# Altium PCB Copy of GameBoard_V1I1_083018.PcbDoc (part 15 of 21)
Units mil, origin at the board's own origin, x right, y up, seen from the top; angles counter-clockwise.
Board outline 7165.35 x 2763.78 mil, 12 copper layers (L1, L2, L3, L4, L5 (PWR), L6 (PWR), L7 (PWR), L8 (PWR), L9, L10, L11, L12), stack 61.575 mil thick; 1542 components, 1068 nets, 5447 pads, 3797 vias.
Unrouted connection lines stored in the file: 105.
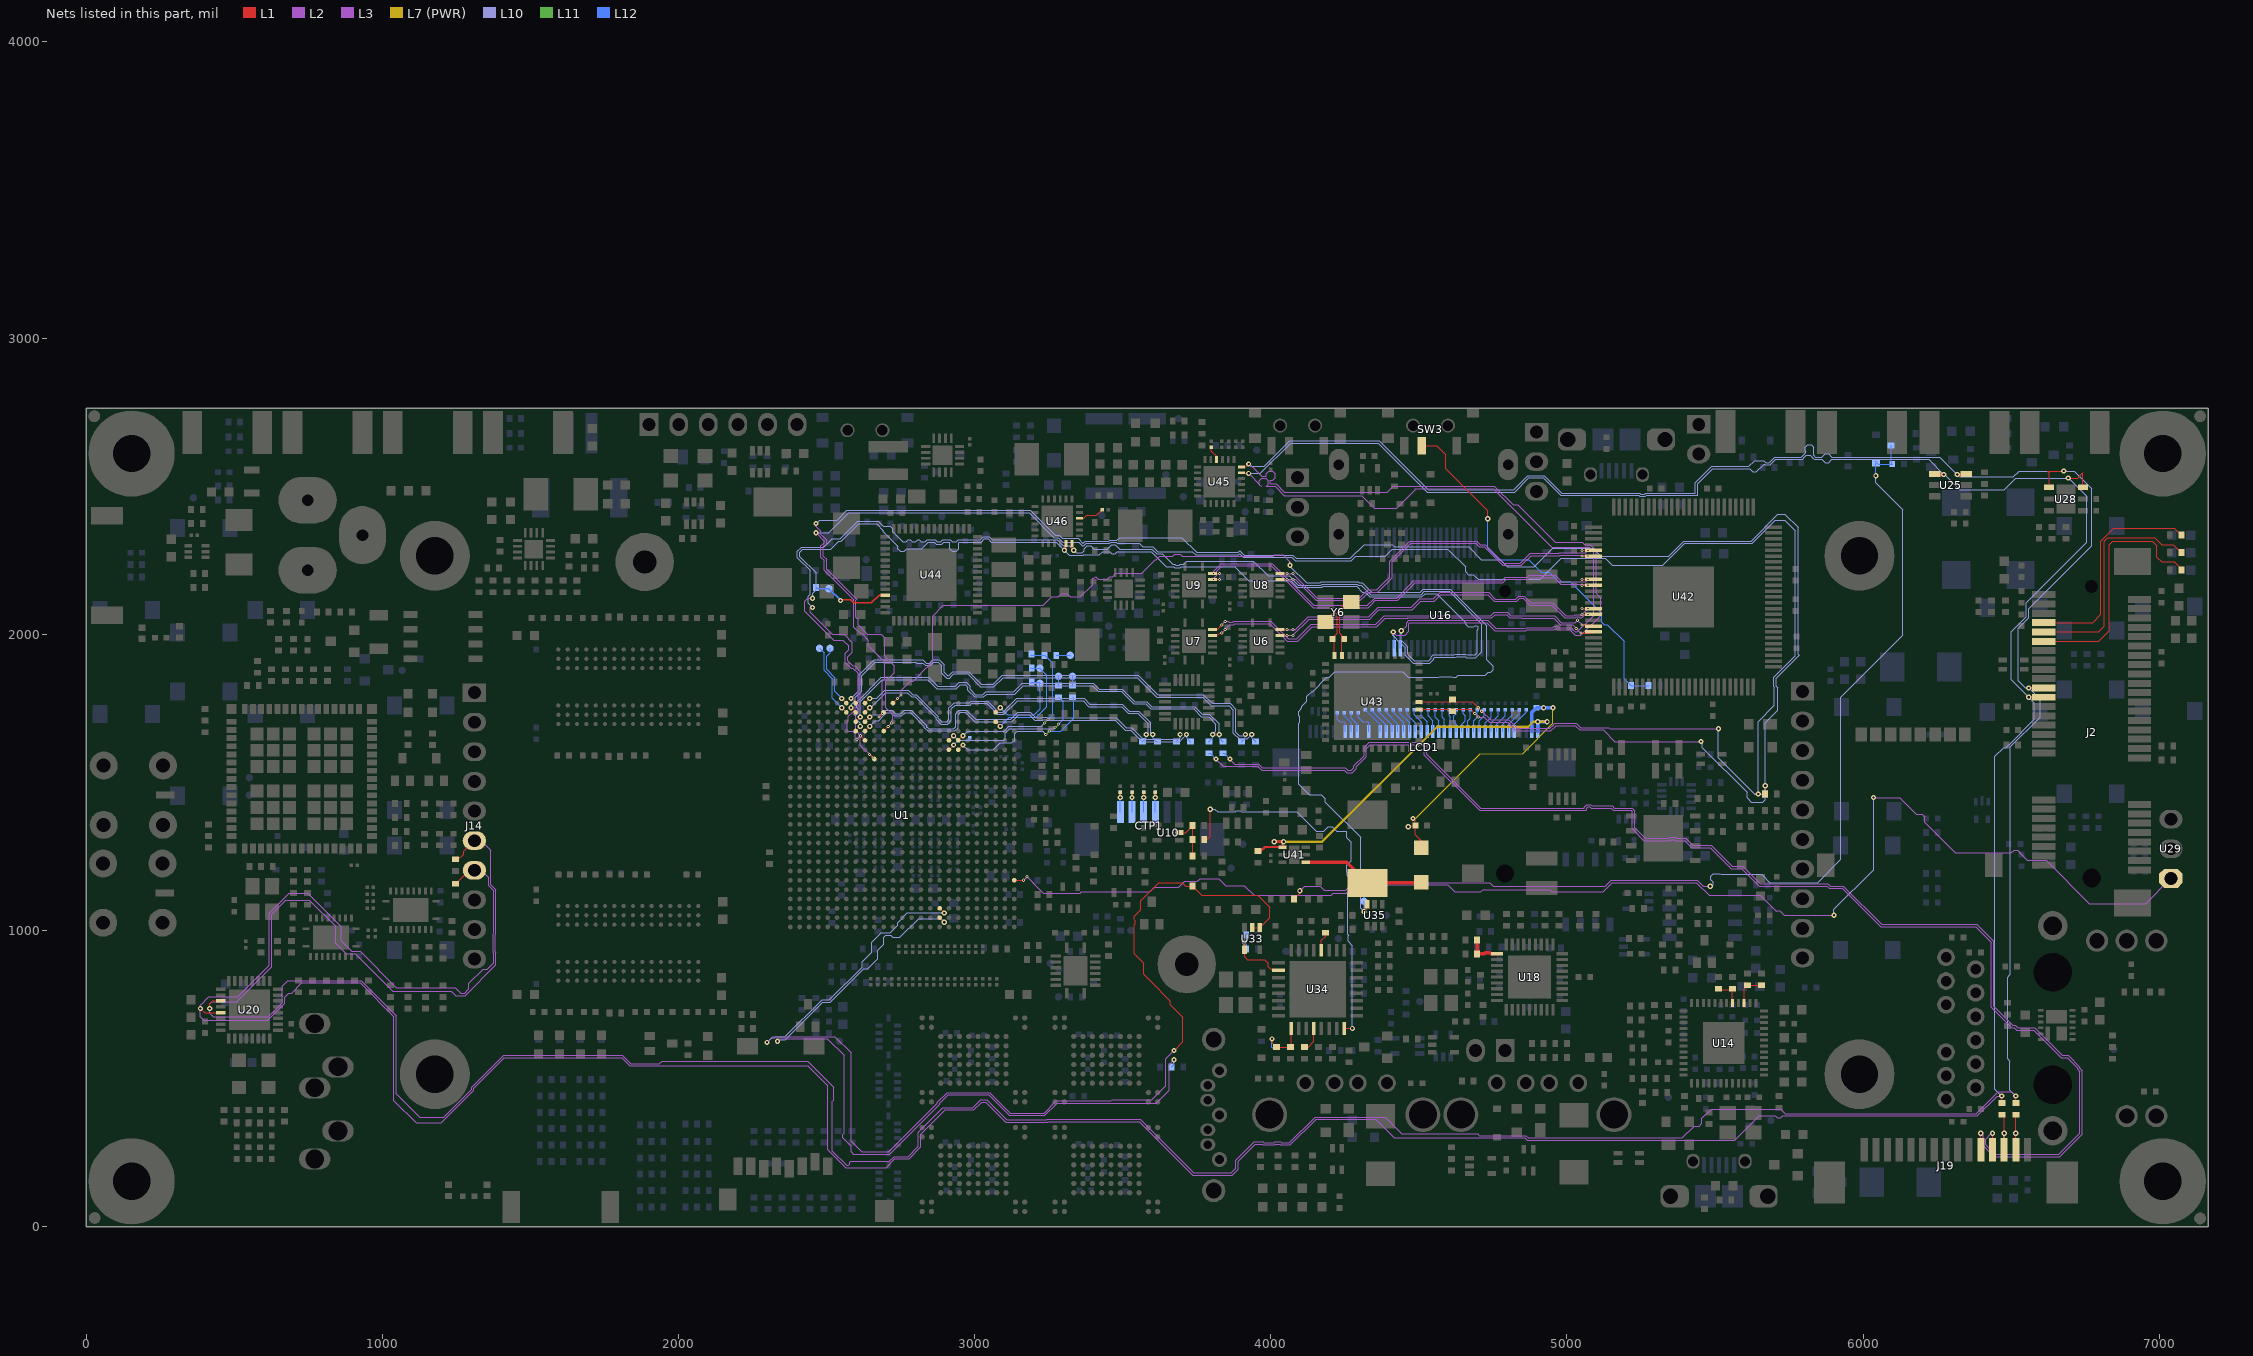
[diagram p25: the nets of this part, all layers, seen from the top]

## Via types
v1: diameter 17.72, hole 7.87, L1 to L12, 1936 vias
v2: diameter 17.72, hole 7.87, L1 to L12, tented both sides, 999 vias
v3: diameter 10.63, hole 3.94, L1 to L2, 337 vias
v4: diameter 10.63, hole 3.94, L2 to L3, 335 vias
v5: diameter 10.63, hole 3.94, L10 to L11, 96 vias
v6: diameter 10.63, hole 3.94, L11 to L12, 94 vias

## Nets (pads, with @x,y where several pads share a name; then routed paths per layer and width w, separated by ;. In a path a pad name is that pad's centre, name@x,y a point inside that pad or via, vN(x,y) a via of type N, cw(c..) or ccw(c..) an arc to the next point about the centre after c; other vN are vias at no path point) (continued)
I2C1_SDA_PMIC: R442.2 TP41.1 U44.53 | length 268.7
  L1 w4.49: v2(2547.24,2114.17) 2550.47,2117.4 2581.03,2117.4 2592.13,2106.3 2651.79,2106.3 2677.38,2131.89 U44.53@2698.82,2131.89
  L12 w4.49: R442.2@2464.57,2157.48 2468.5,2153.54 TP41.1@2507.87,2153.54 v2(2547.24,2114.17)
I2C2_CSI_SCL: J19.13 R452.1 R454.2 R459.2 | length 200.1
  L1 w3.94: R454.2@6468.5,377.95 6476.38,370.08 v1(6476.38,314.96) J19.13@6476.38,259.84
  L12 w3.94: R452.1@6476.38,236.22 v1(6476.38,314.96)
I2C2_CSI_SDA: J19.14 R451.1 R456.2 R458.2 | length 196.9
  L1 w3.94: J19.14@6515.75,259.84 v1(6515.75,314.96) R456.2@6515.75,377.95
  L12 w3.94: R451.1@6515.75,236.22 v1(6515.75,314.96)
I2C2_SCL: J2.30 J14.7 R62.1 R454.1 U1.U5 U16.17 U20.29 U25.1 U28.6 U45.5 U46.5 | length 21296
  L1 w3.66: v3(2614.17,1657.48) U1.U5@2629.92,1641.73
  L1 w3.94: v1(385.83,736.22) 400.59,721.46 454.33,721.46 U20.29@454.33,722.44 ; R62.1@1248.03,1157.48 1297.64,1207.09 J14.7@1330.71,1207.09 ; v1(3303.15,2283.46) 3309.06,2289.37 U46.5@3309.06,2307.09 ; U45.5@3901.57,2545.28 3903.54,2543.31 v1(3925.2,2543.31) ; R454.1@6468.5,417.32 v1(6468.5,440.94) ; v1(6559.06,1787.4) J2.30@6610.24,1787.4 ; v1(6692.91,2527.56) 6724.41,2527.56 6742.13,2545.28 U28.6@6742.13,2496.06
  L1 w11.81: U25.1@6242.13,2541.34 6244.09,2539.37 v2(6272.64,2539.37)
  L3 w3.94: J14.7@1330.71,1207.09 1359.11,1178.68 1359.11,1150.79 1375.98,1133.92 1375.98,991.59 1374.02,989.63 1374.02,924.55 1375.98,922.58 1375.98,891.59 1354.07,869.69 1340.58,869.69 1292.53,821.64 1292.53,803.15 1277.77,788.39 1265.54,788.39 1246.84,807.09 1047.24,807.09 925.2,929.13 897.64,929.13 861.22,965.55 861.22,982.9 862.2,983.89 862.2,1011.81 748.03,1125.98 685.71,1125.98 618.11,1058.38 618.11,881.89 511.81,775.59 413.39,775.59 400.59,762.8 400.59,761.6 391.94,752.95 390.75,752.95 385.83,748.03 v1(385.83,736.22) 385.83,708.66 397.64,696.85 613.5,696.85 670.28,753.63 670.28,773.83 684.83,788.39 693.9,788.39 728.35,822.83 925.2,822.83 1039.37,708.66 1039.37,425.2 1114.17,350.39 1199.71,350.39 1309.45,460.13 1309.45,467.6 1411.73,569.88 1808.75,569.88 1836.31,542.32 1963.58,542.32 1964.57,543.31 2437.01,543.31 2503.94,476.38 2503.94,259 2564.4,198.53 2700.93,198.53 2731.15,228.76 2778.59,228.76 2818.9,269.07 2818.9,311.02 2901.71,393.84 2996.88,393.84 3023.31,420.28 3037.61,420.28 3105.68,352.2 3247.16,352.2 3249.29,354.33 3555.79,354.33 3736.9,173.23 3870.08,173.23 3889.76,192.91 3889.76,221.15 3947.16,278.54 3970.68,278.54 3973.63,275.59 4014.55,275.59 4017.51,278.54 4029.74,278.54 4032.69,275.59 4066.25,275.59 4152.87,362.2 4354.33,362.2 4417.32,299.21 4858.27,299.21 4866.14,291.34 5566.93,291.34 5649.61,374.02 5703.53,374.02 5710.42,367.13 5722.65,367.13 5729.54,374.02 6385.83,374.02 6452.76,440.94 v1(6468.5,440.94) ; v1(2452.76,2122.05) 2437.01,2122.05 2426.18,2111.22 2426.18,2077.76 2523.62,1980.31 2555.12,1980.31 2574.8,1960.63 2574.8,1947.62 2563.98,1936.8 2563.98,1903.85 2582.68,1885.15 2589.32,1885.15 2606.3,1868.17 2606.3,1771.65 2597.44,1762.8 2597.44,1745.85 2588.79,1737.21 2588.27,1737.21 2573.82,1722.75 2573.82,1711.1 2569.75,1707.03 2569.75,1672.24 2588.79,1672.24 2597.44,1663.6 2597.44,1650.59 v4(2602.36,1645.67) ; v1(3925.2,2543.31) 3961.61,2506.89 ; 3967.31,2500 3961.61,2505.7 3961.61,2506.89 ; v1(4440.94,2011.81) 4458.56,2029.43 4458.56,2039.37 4466.44,2047.24 4732.28,2047.24 4759.84,2019.68 4857.75,2019.68 4860.7,2022.64 4952.97,2022.64 4956.9,2026.57 4966.07,2026.57 4970.01,2022.64 5015.07,2022.64 5020.28,2017.43 5020.28,2015.04 5027.44,2007.87 5035.55,2007.87 5090.55,2062.87 5090.55,2279.65 5075.51,2294.69 4949.41,2294.69 4751.97,2492.13 4488.19,2492.13 4488.19,2488.19 4426.18,2426.18 4349.41,2426.18 4307.09,2468.5 4046.05,2468.5 4014.55,2500 3985.45,2500 3991.14,2505.7 3991.14,2517.93 3982.49,2526.57 3970.26,2526.57 3961.61,2517.93 3961.61,2506.89
  L10 w3.94: v1(2452.76,2122.05) 2452.76,2137.8 2464.57,2149.61 2464.57,2207.31 2410.43,2261.44 2410.43,2277.77 2419.08,2286.42 2513.57,2286.42 2541.13,2313.98 2550.2,2313.98 2609.25,2373.03 2668.83,2373.03 2691.93,2349.93 2691.93,2346.25 2741.14,2297.03 2741.14,2289.16 2749.79,2280.51 2762.02,2280.51 2770.67,2289.16 2821.17,2289.16 2843.04,2311.02 2863.65,2311.02 2870.54,2304.13 2889.3,2304.13 2896.19,2311.02 2914.84,2311.02 2916.34,2309.52 2916.34,2289.16 2924.99,2280.51 2937.22,2280.51 2945.87,2289.16 2945.87,2309.52 2947.37,2311.02 3022.43,2311.02 3033.25,2321.85 3045.49,2321.85 3056.31,2311.02 3275.59,2311.02 v1(3303.15,2283.46) 3318.9,2267.72 3367.34,2267.72 3368.32,2268.7 3421.65,2268.7 3432.47,2279.53 3455.5,2279.53 3462.39,2272.64 3474.62,2272.64 3481.51,2279.53 3595.68,2279.53 3646.86,2228.35 3672.71,2228.35 3675.66,2225.39 3694.42,2225.39 3697.37,2228.35 3877.95,2228.35 3925.2,2181.1 4066.93,2181.1 4089.57,2158.46 4174.06,2158.46 4177.01,2161.42 4289.59,2161.42 4309.27,2141.73 4319.01,2141.73 4334.76,2125.98 4510.62,2125.98 4521.44,2136.81 4560.04,2136.81 4658.46,2038.39 4658.46,2033.25 4667.11,2024.61 4684.73,2024.61 4689.65,2029.53 4696.18,2029.53 4700.79,2024.91 4700.79,2018.39 4696.85,2014.45 4696.85,1937.01 4689.96,1930.12 4662.86,1930.12 4659.91,1933.07 4623.24,1933.07 4620.29,1930.12 4549,1930.12 4542.32,1923.44 4542.32,1919.08 4533.67,1910.43 4484.14,1910.43 4462.74,1931.84 4462.74,1957.33 4441.72,1978.35 4440.94,1978.35 v1(4440.94,2011.81) ; v1(3925.2,2543.31) 3964.57,2543.31 4066.93,2645.67 4362.88,2645.67 4528.23,2480.31 4823.37,2480.31 4871.01,2527.95 4920.87,2527.95 4979.64,2469.18 5242.9,2469.18 5246.53,2465.55 5265.28,2465.55 5268.91,2469.18 5440.94,2469.18 5440.94,2507.87 5492.13,2559.06 5616.92,2559.06 5627.74,2548.23 5639.97,2548.23 5665.69,2573.95 5667.79,2571.85 5686.54,2571.85 5705.24,2590.55 5795.58,2590.55 5800.2,2595.16 5800.2,2596.67 5808.85,2605.31 5821.08,2605.31 5829.72,2596.67 5829.72,2595.16 5834.34,2590.55 5861.01,2590.55 5871.84,2579.72 5884.07,2579.72 5894.89,2590.55 6221.46,2590.55 v2(6272.64,2539.37) 6275.59,2539.37 6326.77,2488.19 6476.38,2488.19 6515.75,2527.56 v1(6692.91,2527.56) 6694.11,2527.56 6755.91,2465.76 6755.91,2311.02 6551.18,2106.3 6551.18,2059.06 6500,2007.87 6500,1846.46 v1(6559.06,1787.4) 6578.74,1767.72 6578.74,1712.6 6493.35,1627.2 6492.3,1627.2 6486.97,1621.88 6486.97,1620.83 6483.27,1617.13 6474.2,1617.13 6444.88,1587.81 6444.88,464.57 v1(6468.5,440.94)
  L2 w3.94: v4(2602.36,1645.67) v3(2614.17,1657.48)
  L12 w3.94: U16.17@4437.01,1952.76 4437.01,2007.87 v1(4440.94,2011.81)
I2C2_SDA: J2.32 J14.6 R61.1 R456.1 U1.T7 U16.18 U20.27 U25.6 U28.1 U45.6 U46.6 | length 21610.1
  L1 w3.66: v3(2645.67,1594.49) U1.T7@2661.42,1578.74
  L1 w3.94: v1(417.32,736.22) 417.32,751.97 427.17,761.81 U20.27@454.33,761.81 ; R61.1@1248.03,1240.16 1257.1,1240.16 1274.61,1257.66 1274.61,1266.73 1314.96,1307.09 J14.6@1330.71,1307.09 ; U46.6@3328.74,2307.09 3328.74,2289.37 v1(3334.65,2283.46) ; U45.6@3901.57,2564.96 3915.35,2564.96 v1(3925.2,2574.8) ; R456.1@6515.75,417.32 v1(6515.75,440.94) ; v1(6559.06,1818.9) J2.32@6610.24,1818.9 ; U28.1@6627.95,2496.06 6627.95,2545.28 6622.05,2551.18 v1(6677.17,2551.18)
  L1 w11.81: v2(6317.91,2539.37) 6346.46,2539.37 U25.6@6348.43,2541.34
  L3 w3.94: J14.6@1330.71,1307.09 1366.99,1270.81 1366.99,1154.05 1383.86,1137.18 1383.86,988.33 1381.89,986.36 1381.89,927.81 1383.86,925.84 1383.86,883.34 1280.05,779.53 1248.03,779.53 1232.28,795.28 1035.43,795.28 909.45,921.26 877.95,921.26 842.52,956.69 842.52,1013.41 753.57,1102.36 673.23,1102.36 625.98,1055.12 625.98,877.95 507.87,759.84 425.2,759.84 417.32,751.97 v1(417.32,736.22) 417.32,720.47 429.13,708.66 614.17,708.66 661.42,755.91 661.42,811.02 681.1,830.71 928.46,830.71 1047.24,711.92 1047.24,448.82 1125.98,370.08 1208.26,370.08 1301.57,463.39 1301.57,470.87 1409.45,578.74 1811.02,578.74 1839.57,550.2 1936.02,550.2 1944.88,559.06 2435.81,559.06 2523.62,471.25 2523.62,426.46 2519.82,422.66 2519.82,254.25 2567.66,206.41 2574.07,206.41 2578.6,210.94 2578.6,217.35 2582.28,221.02 2712.28,221.02 2727.89,236.63 2775.33,236.63 2810.04,271.34 2810.04,318.78 2892.97,401.71 2993.61,401.71 3020.05,428.15 3040.87,428.15 3108.94,360.08 3243.9,360.08 3246.03,362.2 3559.06,362.2 3740.16,181.1 3866.14,181.1 3881.89,196.85 3881.89,224.41 3943.9,286.42 3973.94,286.42 3976.9,283.46 4011.29,283.46 4014.25,286.42 4033,286.42 4035.95,283.46 4062.99,283.46 4149.61,370.08 4385.83,370.08 4442.91,312.99 4698.82,312.99 4704.72,307.09 4861.53,307.09 4869.4,299.21 5389.76,299.21 5430.12,339.57 5447.06,339.57 5455.71,348.22 5455.71,365.16 5487.2,396.65 5722.65,396.65 5737.41,381.89 6382.57,381.89 6456.38,455.71 6500.98,455.71 v1(6515.75,440.94) ; v1(2452.76,2090.55) 2448.82,2094.49 2444.88,2090.55 2444.88,2074.8 2519.69,2000 2559.06,2000 2587.6,1971.46 2587.6,1939.19 2571.85,1923.44 2571.85,1911.21 2589.36,1893.7 2594.49,1893.7 2614.17,1874.02 2614.17,1767.72 2606.3,1759.84 2606.3,1744.09 2605.32,1743.11 2605.32,1742.59 2592.05,1729.33 2591.54,1729.33 2598.43,1722.44 2598.43,1673.75 2614.17,1658 2614.17,1625.98 v4(2657.48,1582.68) ; v1(3925.2,2574.8) 3929.13,2574.8 3969.49,2534.45 3985.24,2534.45 3985.24,2541.55 3993.88,2550.2 4006.12,2550.2 4014.76,2541.55 4014.76,2529.32 4006.12,2520.67 3999.02,2520.67 3999.02,2507.87 4017.82,2507.87 4045.37,2480.31 4393.7,2480.31 4413.39,2500 4755.23,2500 4818.22,2437.01 4833.97,2437.01 4959.95,2311.02 5051.18,2311.02 5059.65,2302.56 5078.78,2302.56 5098.43,2282.91 5098.43,2137.8 5114.17,2122.05 5114.17,2062.99 5047.24,1996.06 5028.11,1996.06 5012.4,2011.78 5012.4,2014.17 5011.81,2014.76 4966.75,2014.76 4962.81,2018.7 4960.16,2018.7 4956.23,2014.76 4863.96,2014.76 4861.01,2011.81 4756.58,2011.81 4729.02,2039.37 4469.7,2039.37 4466.44,2036.11 4466.44,2009.74 4453.74,1997.05 4424.21,1997.05 v1(4413.39,2007.87)
  L10 w3.94: v1(2452.76,2090.55) 2437.99,2105.31 2437.99,2128.16 2444.88,2135.05 2444.88,2215.86 2401.57,2259.17 2401.57,2280.05 2415.82,2294.29 2491.14,2294.29 2518.7,2321.85 2546.94,2321.85 2605.99,2380.91 2675.3,2380.91 2690.79,2365.42 2714.52,2365.42 2723.43,2356.51 2723.43,2346.25 2757.66,2312.01 2769.89,2312.01 2776.78,2318.9 2782.27,2318.9 2789.16,2312.01 2801.39,2312.01 2808.28,2318.9 2813.77,2318.9 2820.66,2312.01 2832.89,2312.01 2839.78,2318.9 2866.92,2318.9 2873.81,2312.01 2886.04,2312.01 2892.93,2318.9 2918.1,2318.9 2924.99,2312.01 2937.22,2312.01 2944.11,2318.9 3019.17,2318.9 3029.99,2329.72 3048.75,2329.72 3059.57,2318.9 3278.85,2318.9 3298.54,2299.21 3318.9,2299.21 v1(3334.65,2283.46) 3342.52,2275.59 3364.07,2275.59 3371.06,2282.58 3371.06,2289.58 3379.71,2298.23 3391.94,2298.23 3402.77,2287.4 3447.62,2287.4 3462.39,2302.17 3474.62,2302.17 3489.38,2287.4 3598.94,2287.4 3614.69,2271.65 3633.86,2271.65 3669.29,2236.22 3675.97,2236.22 3678.92,2233.27 3691.15,2233.27 3694.11,2236.22 3705.92,2236.22 3717.05,2247.36 3941.62,2247.36 3992.13,2196.85 4062.99,2196.85 4093.5,2166.34 4170.79,2166.34 4173.75,2169.29 4292.85,2169.29 4295.8,2166.34 4305.54,2166.34 4338.02,2133.86 4507.36,2133.86 4518.18,2144.68 4602.11,2144.68 4712.6,2034.2 4712.6,1940.94 4692.91,1921.26 4660.59,1921.26 4657.63,1924.21 4625.52,1924.21 4623.55,1922.24 4554.13,1922.24 4550.2,1918.31 4550.2,1915.82 4536.94,1902.56 4480.88,1902.56 4454.86,1928.57 4454.86,1954.07 4438.46,1970.47 4437.68,1970.47 4410.43,1997.72 ; v1(3925.2,2574.8) 3932.09,2567.91 3978.04,2567.91 4063.67,2653.54 4366.14,2653.54 4531.5,2488.19 4820.11,2488.19 4867.75,2535.83 4924.13,2535.83 4982.9,2477.05 5246.16,2477.05 5249.79,2473.43 5262.02,2473.43 5265.65,2477.05 5433.07,2477.05 5433.07,2511.14 5488.86,2566.93 5614.17,2566.93 5633.86,2586.61 5664.16,2586.61 5671.05,2579.72 5683.28,2579.72 5701.98,2598.43 5790.82,2598.43 5805.58,2613.19 5805.58,2618.42 5804.13,2619.87 5804.13,2632.1 5812.78,2640.75 5825.01,2640.75 5833.66,2632.1 5833.66,2603.86 5839.1,2598.43 5861.01,2598.43 5871.84,2609.25 5884.07,2609.25 5894.9,2598.43 6258.86,2598.43 v2(6317.91,2539.37) 6318.9,2539.37 6326.77,2531.5 6507.87,2531.5 6527.56,2551.18 v1(6677.17,2551.18) 6712.6,2551.18 6771.65,2492.13 6771.65,2299.21 6559.06,2086.61 6559.06,2055.79 6523.62,2020.36 6523.62,1842.52 6547.24,1818.9 v1(6559.06,1818.9) 6598.43,1779.53 6598.43,1720.47 6496.06,1618.11 6496.06,850.39 6488.19,842.52 6488.19,566.93 6496.06,559.05 6496.06,460.63 v1(6515.75,440.94)
  L2 w3.94: v3(2645.67,1594.49) v4(2657.48,1582.68)
  L12 w3.94: v1(4413.39,2007.87) 4413.39,1996.06 4417.32,1992.13 U16.18@4417.32,1952.76
I2C3_SCL: R64.1 R577.1 U1.R4 U43.16 | length 6811.5
  L1 w3.66: U1.R4@2692.91,1673.23 v3(2708.66,1688.98)
  L1 w3.94: U43.16@4500,1746.06 4675.2,1746.06 v3(4688.98,1732.28) ; R577.1@5669.29,1460.63 v1(5669.29,1488.19)
  L3 w3.94: v2(2464.57,2374.02) 2464.57,2363.4 2480.32,2347.65 2480.32,2337.91 2500,2318.22 2500,2306.25 2489.17,2295.43 2489.17,2263.63 2500,2252.8 2500,2219.8 2602.1,2117.69 2599.41,2115 2599.41,2058.07 2606.3,2051.18 2606.3,2031.5 2637.09,2000.71 2684.33,2000.71 2696.85,1988.19 2696.85,1925.2 2728.35,1893.7 2728.35,1870.08 2700.79,1842.52 2700.79,1751.97 2723.43,1729.33 2723.43,1703.74 v4(2720.47,1700.79) ; v4@2716.54,1700.79 v4@2718.5,1702.76 ; v4(4700.79,1720.47) 4721.15,1720.47 4738.86,1702.76 4800.56,1702.76 4829.11,1674.21 4945.87,1674.21 4963.58,1691.93 5028.39,1691.93 5043.15,1677.17 5122.05,1677.17 5161.42,1637.8 v1(5452.76,1637.8)
  L10 w3.94: v2(2464.57,2374.02) 2476.38,2385.83 2535.43,2385.83 2567.91,2418.31 3187.99,2418.31 3271.65,2334.65 3285.38,2334.65 3296.2,2323.82 3349.41,2323.82 3365.16,2308.07 3367.28,2308.07 3374.17,2314.96 3452.91,2314.96 3455.87,2317.91 3480.52,2317.91 3489.38,2326.77 3699.19,2326.77 3749.38,2276.57 3889.4,2276.57 3895.33,2282.51 3910.12,2267.72 4074.13,2267.72 4085.94,2255.91 4267.72,2255.91 4314.96,2303.15 4410.12,2303.15 4418,2295.28 4667.94,2295.28 4711.25,2251.97 4775.59,2251.97 4799.21,2228.35 4889.76,2228.35 4952.76,2291.34 5086.61,2291.34 5114.17,2263.78 5343.2,2263.78 5394.38,2314.96 5622.05,2314.96 5712.6,2405.51 5736.22,2405.51 5780.51,2361.22 5780.51,1932.76 5784.14,1929.13 5705.98,1850.98 5705.98,1825.38 5712.6,1818.77 5712.6,1744.09 5669.29,1700.79 v1(5669.29,1488.19) 5669.29,1440.94 5661.42,1433.07 5623.24,1433.07 5608.48,1447.83 5608.48,1466.33 5457.68,1617.13 5457.68,1632.87 v1(5452.76,1637.8)
  L2 w3.94: v3(2708.66,1688.98) v4(2720.47,1700.79) ; v3(4688.98,1732.28) v4(4700.79,1720.47)
I2C3_SDA: R63.1 R576.1 U1.R2 U43.17 | length 6676.5
  L1 w3.66: v3(2677.17,1720.47) U1.R2@2692.91,1736.22
  L1 w3.94: U43.17@4500,1771.65 4681.1,1771.65 v3(4700.79,1751.97)
  L3 w3.94: v2(2464.57,2342.52) 2492.13,2314.96 2492.13,2309.52 2481.3,2298.69 2481.3,2260.37 2492.13,2249.54 2492.13,2216.54 2591.54,2117.13 2591.54,2024.55 2613.13,2002.95 2618.26,2002.95 2640.75,1980.47 2640.75,1961.61 2696.85,1905.51 2696.85,1849.72 2688.98,1841.85 v4(2688.98,1732.28) ; v4(4712.6,1740.16) 4742.13,1710.63 4803.83,1710.63 4832.37,1682.09 4942.45,1682.09 4955.71,1695.35 4955.71,1696.54 4958.97,1699.8 5031.65,1699.8 5046.41,1685.04 5141.73,1685.04 5145.67,1681.1 v1(5511.81,1681.1)
  L10 w3.94: v2(2464.57,2342.52) 2507.87,2342.52 2575.79,2410.43 3184.06,2410.43 3267.72,2326.77 3282.11,2326.77 3297.86,2311.02 3351.07,2311.02 3363.86,2298.23 3368.58,2298.23 3377.43,2307.09 3456.17,2307.09 3459.13,2310.04 3477.88,2310.04 3480.83,2307.09 3555.64,2307.09 3567.45,2295.28 3602.21,2295.28 3617.95,2279.53 3735.29,2279.53 3746.12,2268.7 3892.66,2268.7 3895.33,2271.37 3906.86,2259.84 4070.87,2259.84 4082.68,2248.03 4270.98,2248.03 4286.73,2263.78 4387.18,2263.78 4410.8,2287.4 4598.43,2287.4 4658.46,2227.36 4658.46,2210.42 4667.11,2201.77 4684.06,2201.77 4700.79,2185.04 4909.45,2185.04 4980.31,2255.91 5129.92,2255.91 5153.54,2232.28 5322.83,2232.28 5397.64,2307.09 5625.31,2307.09 5704.05,2385.83 5736.22,2385.83 5771.65,2350.39 5771.65,1927.78 5698.11,1854.24 5698.11,1822.12 5700.79,1819.44 5700.79,1759.84 5645.67,1704.72 v1(5645.67,1460.63) 5633.86,1460.63 5511.81,1582.68 v1(5511.81,1681.1)
  L2 w3.94: v3(2677.17,1720.47) v4(2688.98,1732.28) ; v3(4700.79,1751.97) v4(4712.6,1740.16)
  L12 w3.94: v1(5645.67,1460.63) R576.1@5669.29,1460.63
ILIM1: R470.2 U45.10 | length 48.1
  L1 w3.94: R470.2@3799.21,2631.3 3799.21,2618.11 3816.93,2600.39 U45.10@3816.93,2590.55
ILIM2: R492.2 U46.10 | length 88.4
  L1 w3.94: U46.10@3354.33,2391.73 3368.11,2391.73 3377.95,2401.57 3410.83,2401.57 R492.2@3430.51,2421.26
IR_RCV: U1.A20 U29.1 | length 4588.8
  L1 w3.94: U1.A20@3133.86,1169.29 v3(3165.35,1169.29)
  L3 w3.94: v4(3177.17,1181.1) 3197.83,1160.43 3197.83,1159.24 3231.09,1125.98 3356.36,1125.98 3360.29,1129.92 3425.87,1129.92 3592.02,1129.92 3607.77,1145.67 3689.49,1145.67 3709.18,1165.35 3751.97,1165.35 3761.79,1175.18 3824.15,1175.18 3847.63,1151.69 3911.3,1151.69 3943.9,1119.09 4203.8,1119.09 4210.69,1125.98 4255.31,1125.98 4282.87,1153.54 4598.15,1153.54 4621.77,1129.92 4708.78,1129.92 4716.65,1137.8 4941.6,1137.8 4949.48,1129.92 5122.05,1129.92 5153.54,1161.42 5437.01,1161.42 5480.31,1118.11 5653.54,1118.11 5706.1,1065.56 5706.48,1065.94 5718.71,1065.94 5733.48,1051.18 v1(5901.57,1051.18) ; v1(6035.43,1448.82) 6124.23,1448.82 6180.33,1392.72 6199.03,1392.72 6207.68,1384.07 6207.68,1365.37 6311.02,1262.02 6500.98,1262.02 6509.63,1270.67 6521.86,1270.67 6530.51,1262.02 6530.51,1260.83 6555.12,1236.22 6618.11,1236.22 6763.78,1090.55 6954.33,1090.55 U29.1@7039.37,1175.59
  L10 w3.94: v1(5901.57,1051.18) 5901.57,1070.87 6035.43,1204.72 v1(6035.43,1448.82)
  L2 w3.94: v3(3165.35,1169.29) v4(3177.17,1181.1)
JTAG_MOD: R103.2 U1.H6 | length 87.7
  L1 w3.66: U1.H6@2913.39,1610.24 v2(2929.13,1625.98)
  L12 w3.66: v2(2929.13,1625.98) 2944.88,1641.73 2975,1641.73 R103.2@2984.25,1650.98
JTAG_nTRST: R104.1 TP4.1 U1.C2 | length 295.2
  L1 w3.66: U1.C2@3070.87,1736.22 v1(3086.61,1751.97)
  L12 w3.66: v1(3086.61,1751.97) 3110.24,1728.35 3201.79,1728.35 3221.47,1748.03 3221.47,1806.09 3220.47,1807.09 TP4.1@3220.47,1834.65 3216.54,1838.58 R104.1@3188.98,1838.58
JTAG_TCK: R111.2 TP7.1 | length 31.5
  L12 w3.94: R111.2@3283.46,1826.77 TP7.1@3283.46,1858.27
JTAG_TCK_R: R111.1 U1.H5 | length 519.1
  L1 w3.66: U1.H5@2913.39,1641.73 v2(2929.13,1657.48)
  L10 w3.66: v2(2929.13,1657.48) 2943.76,1642.85 3099.55,1642.85 3103.48,1646.79 3103.48,1666.48 3118.39,1681.38 3266.93,1681.38 v5@3270.59,1685.04
  L11 w3.94: v5(3271.65,1685.04) v6(3283.46,1696.85)
  L12 w3.94: v6(3283.46,1696.85) 3299.21,1712.6 3299.21,1771.65 R111.1@3283.46,1787.4
JTAG_TDI: R109.2 TP5.1 | length 47.2
  L12 w3.94: R109.2@3275.59,1929.13 TP5.1@3322.83,1929.13
JTAG_TDI_R: R105.1 R109.1 U1.G5 | length 614.2
  L1 w3.66: U1.G5@2944.88,1641.73 v2(2960.63,1657.48)
  L10 w3.66: v2(2960.63,1657.48) 2976.38,1673.23 3099.49,1673.23 3115.24,1688.98 3224.41,1688.98 v5(3236.22,1700.79)
  L11 w3.94: v5(3236.22,1700.79) v6(3248.03,1712.6)
  L12 w3.94: R105.1@3188.98,1929.13 R109.1@3236.22,1929.13 3263.78,1901.57 3263.78,1728.35 v6(3248.03,1712.6)
JTAG_TDO: R67.2 TP8.1 | length 31.5
  L12 w3.94: R67.2@3330.71,1826.77 TP8.1@3330.71,1858.27
JTAG_TDO_R: R67.1 U1.G6 | length 540.3
  L1 w3.66: U1.G6@2944.88,1610.24 v2(2960.63,1625.98)
  L10 w3.66: v2(2960.63,1625.98) 2976.38,1610.24 3062.99,1610.24 3086.61,1633.86 3125.98,1633.86 3134.98,1642.85 3134.98,1663.54 3143.55,1672.11 3229.47,1672.11 v5(3240.16,1661.42)
  L11 w3.94: v5(3240.16,1661.42) v6(3251.97,1673.23)
  L12 w3.94: v6(3251.97,1673.23) 3291.34,1673.23 3334.65,1716.54 3334.65,1783.46 R67.1@3330.71,1787.4
JTAG_TMS: R106.1 TP6.1 U1.C3 | length 378.7
  L1 w3.66: U1.C3@3070.87,1704.73 v1(3086.61,1688.98)
  L12 w3.66: v1(3086.61,1688.98) 3116.99,1719.35 3207.54,1719.35 3244.09,1755.91 3244.09,1862.2 TP6.1@3220.47,1885.83 R106.1@3188.98,1885.83
LCD_B0: LCD1.21 R331.2 | length 84
  L12 w3.66: R331.2@4484.25,1745.47 4484.25,1728.35 4507.87,1704.72 LCD1.21@4507.87,1671.26
LCD_B1: LCD1.22 R332.2 | length 85.6
  L12 w3.66: R332.2@4460.63,1745.47 4460.63,1728.35 4488.19,1700.79 LCD1.22@4488.19,1671.26
LCD_B2: LCD1.23 R333.2 | length 87.3
  L12 w3.66: R333.2@4437.01,1745.47 4437.01,1732.28 4468.5,1700.79 LCD1.23@4468.5,1671.26